# Altium PCB PCB1.PcbDoc
Units mil, origin at the board's own origin, x right, y up, seen from the top; angles counter-clockwise.
Board outline 3323.88 x 3323.88 mil, 2 copper layers (Top Layer, Bottom Layer); 67 components, 46 nets, 217 pads, 822 vias.
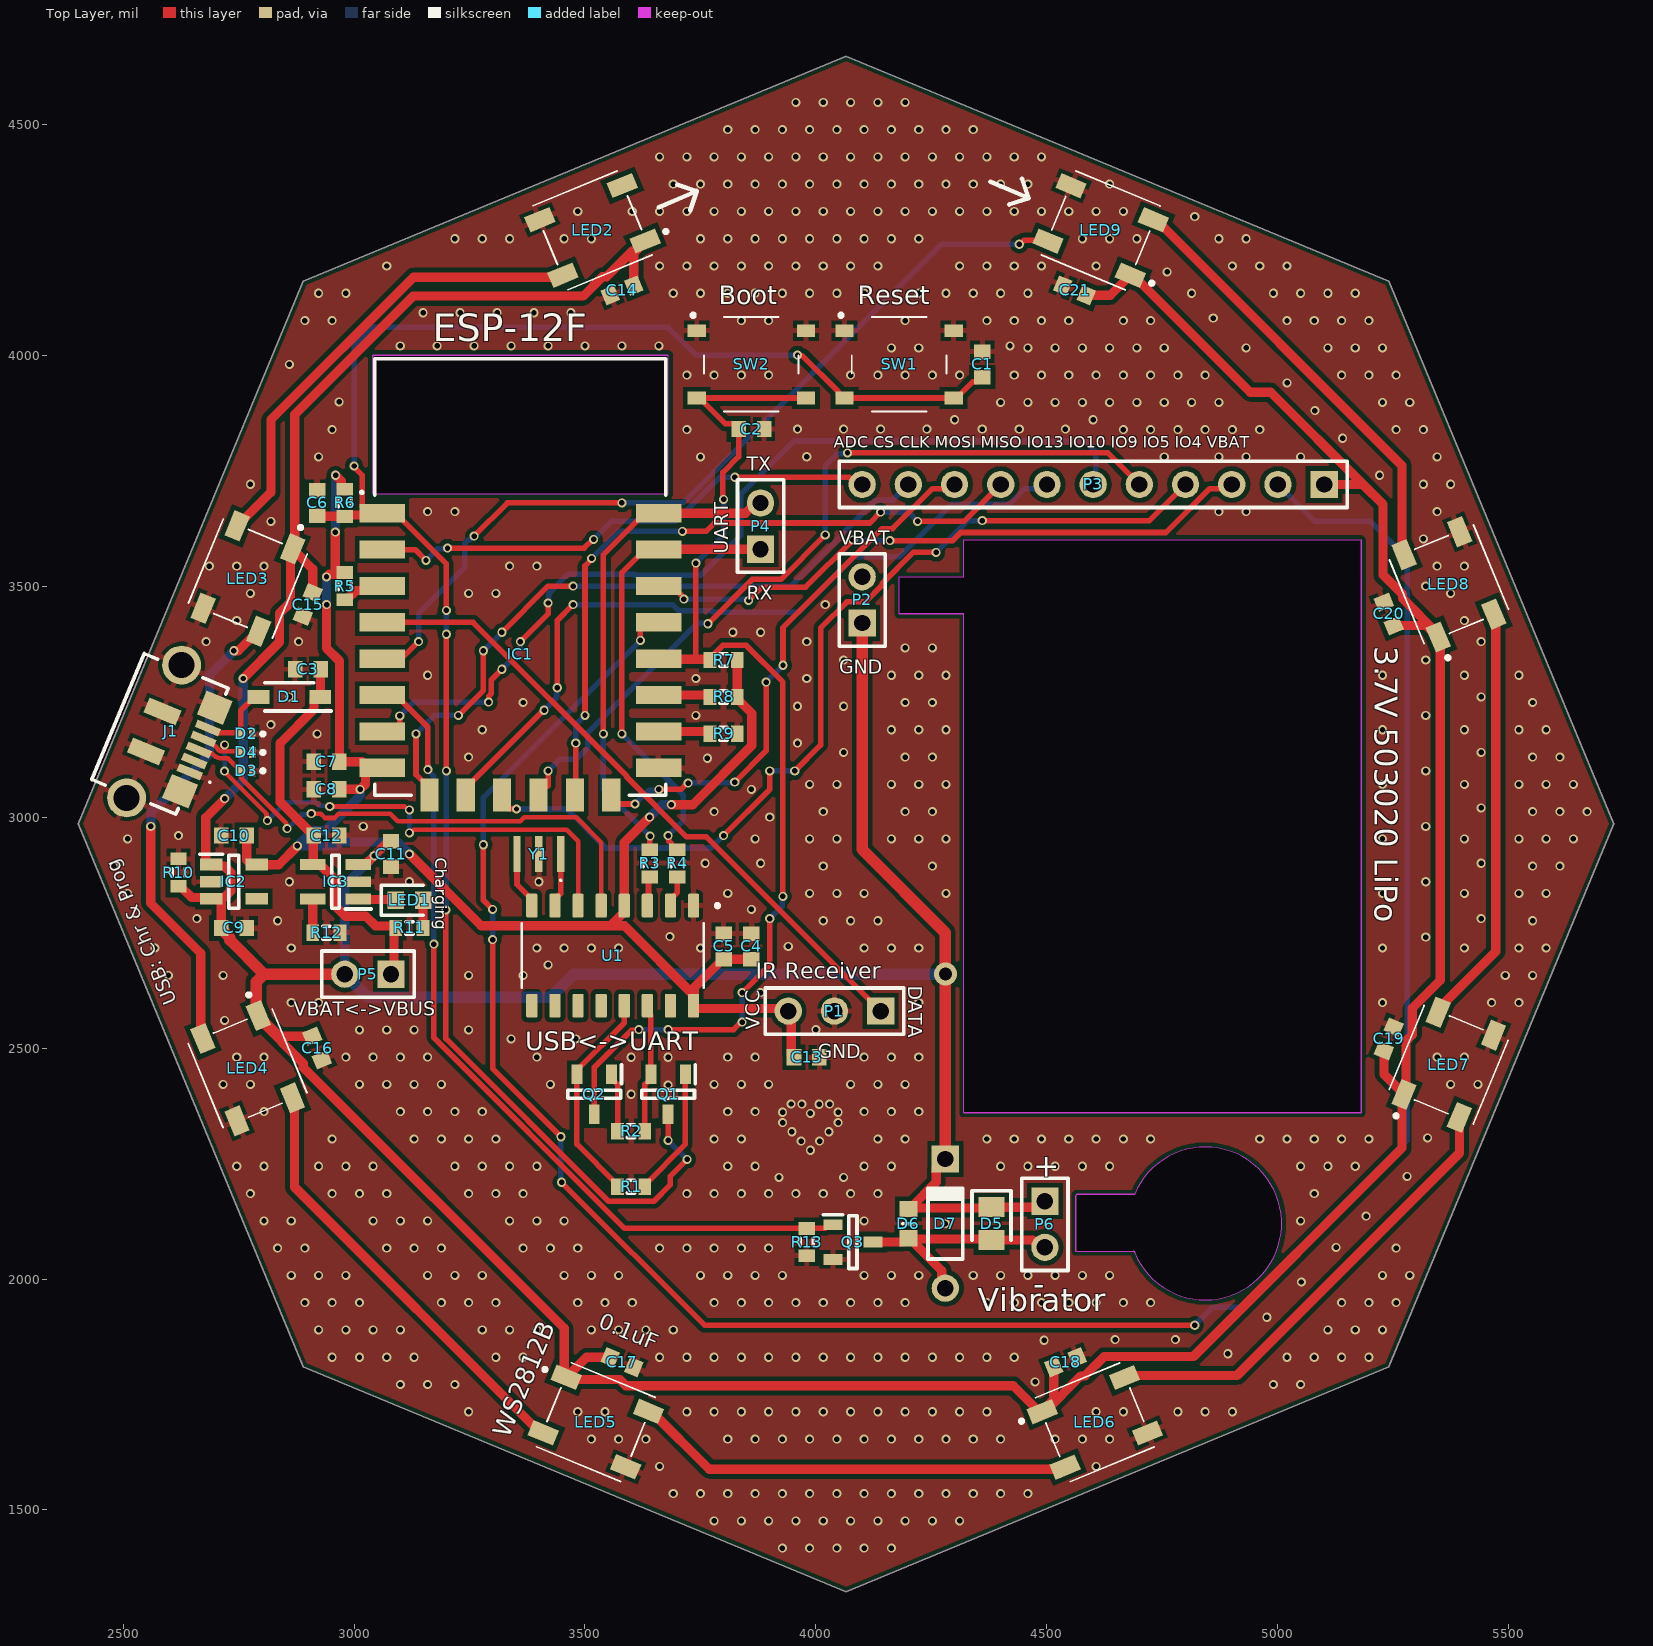
[diagram p0: Top Layer view]
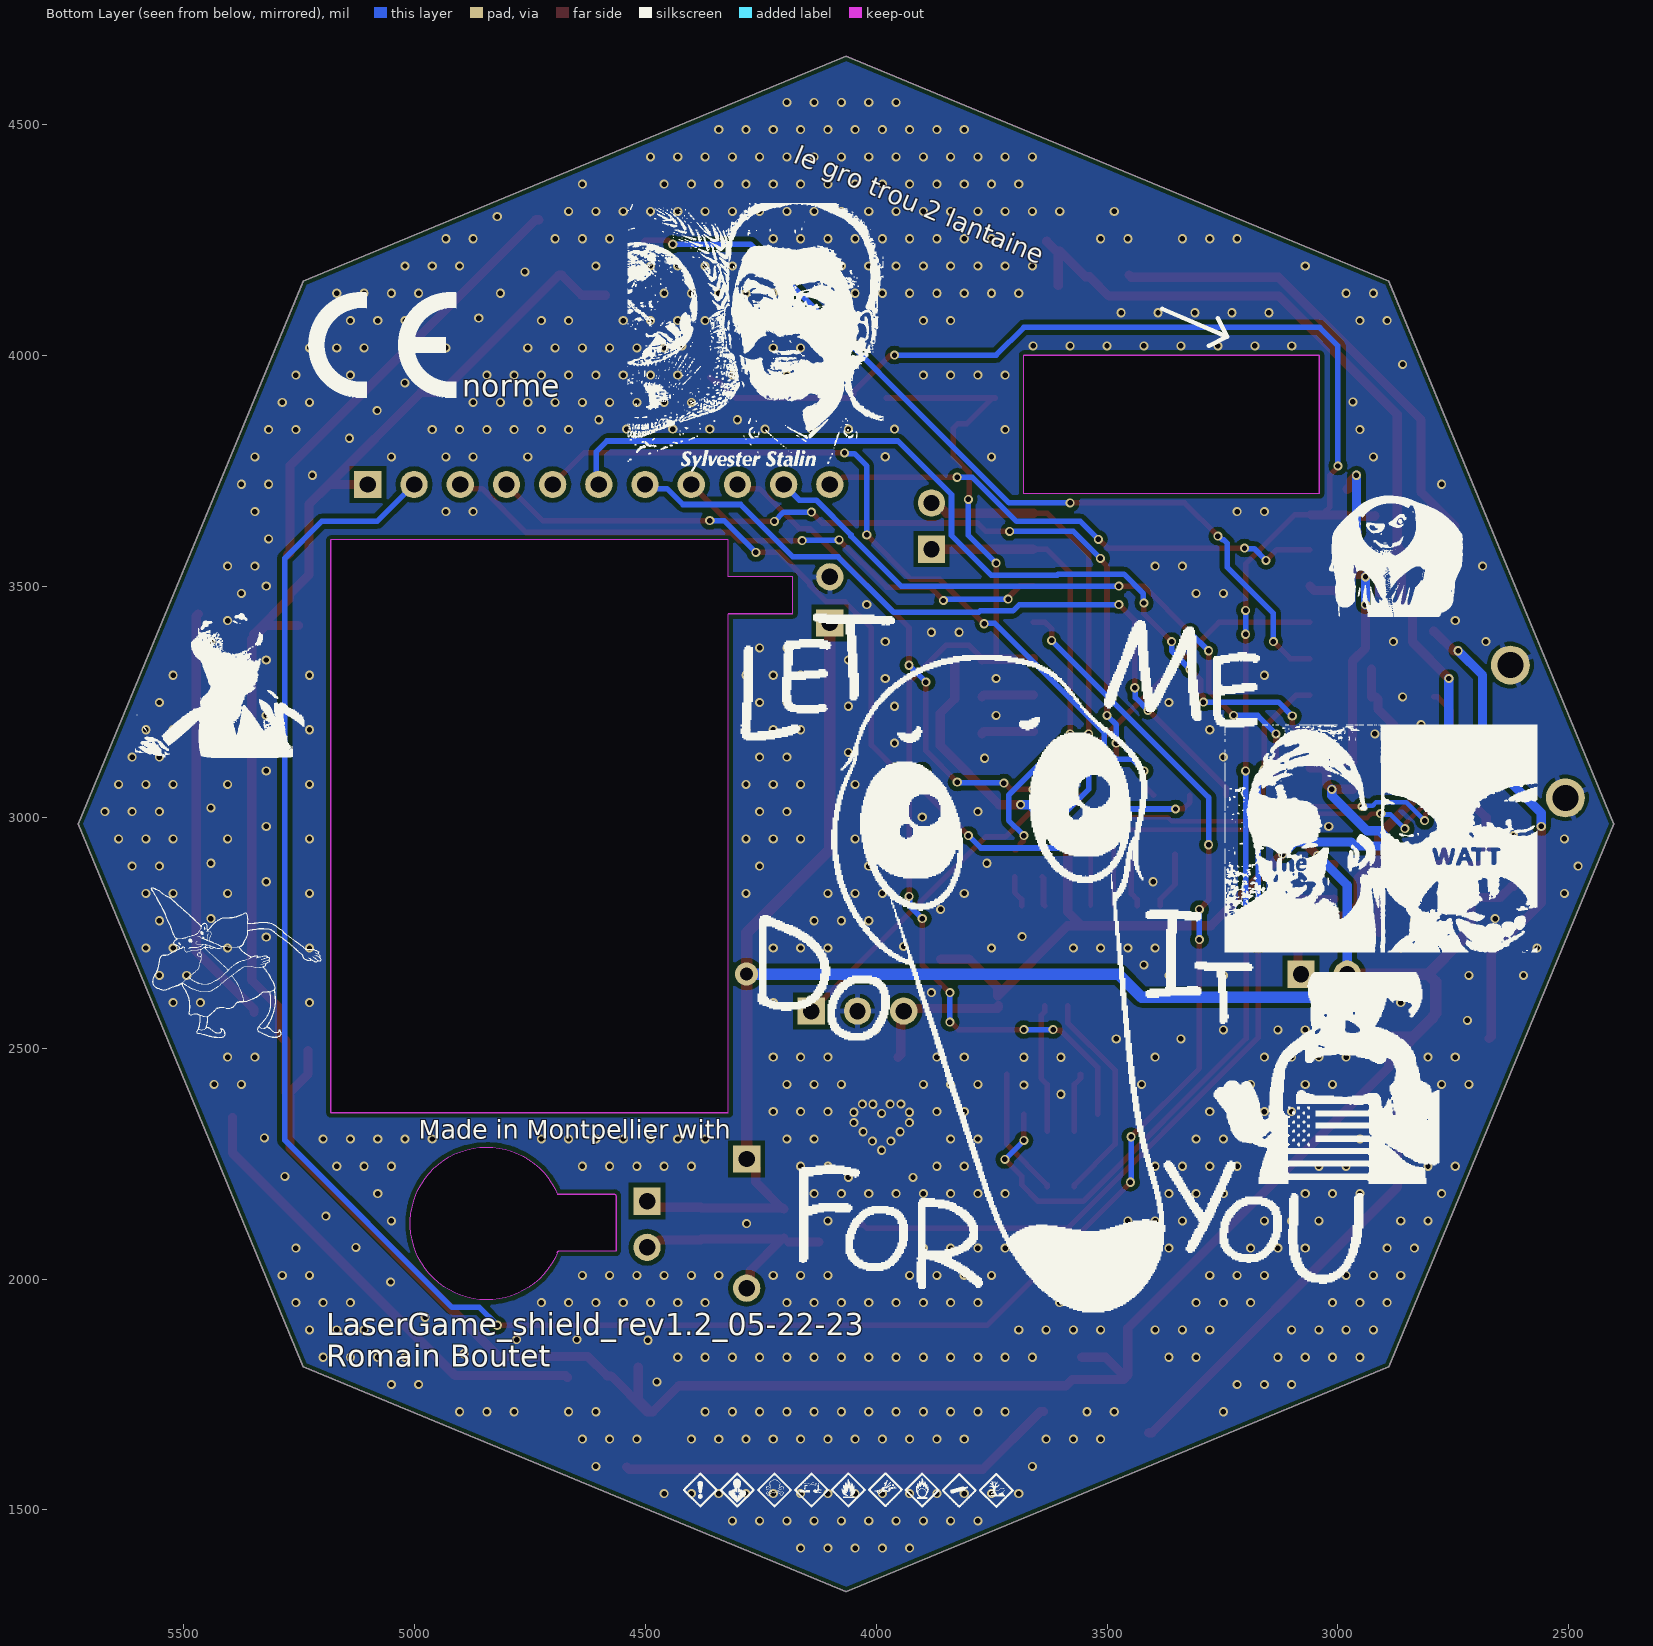
[diagram p1: Bottom Layer view, seen from below]
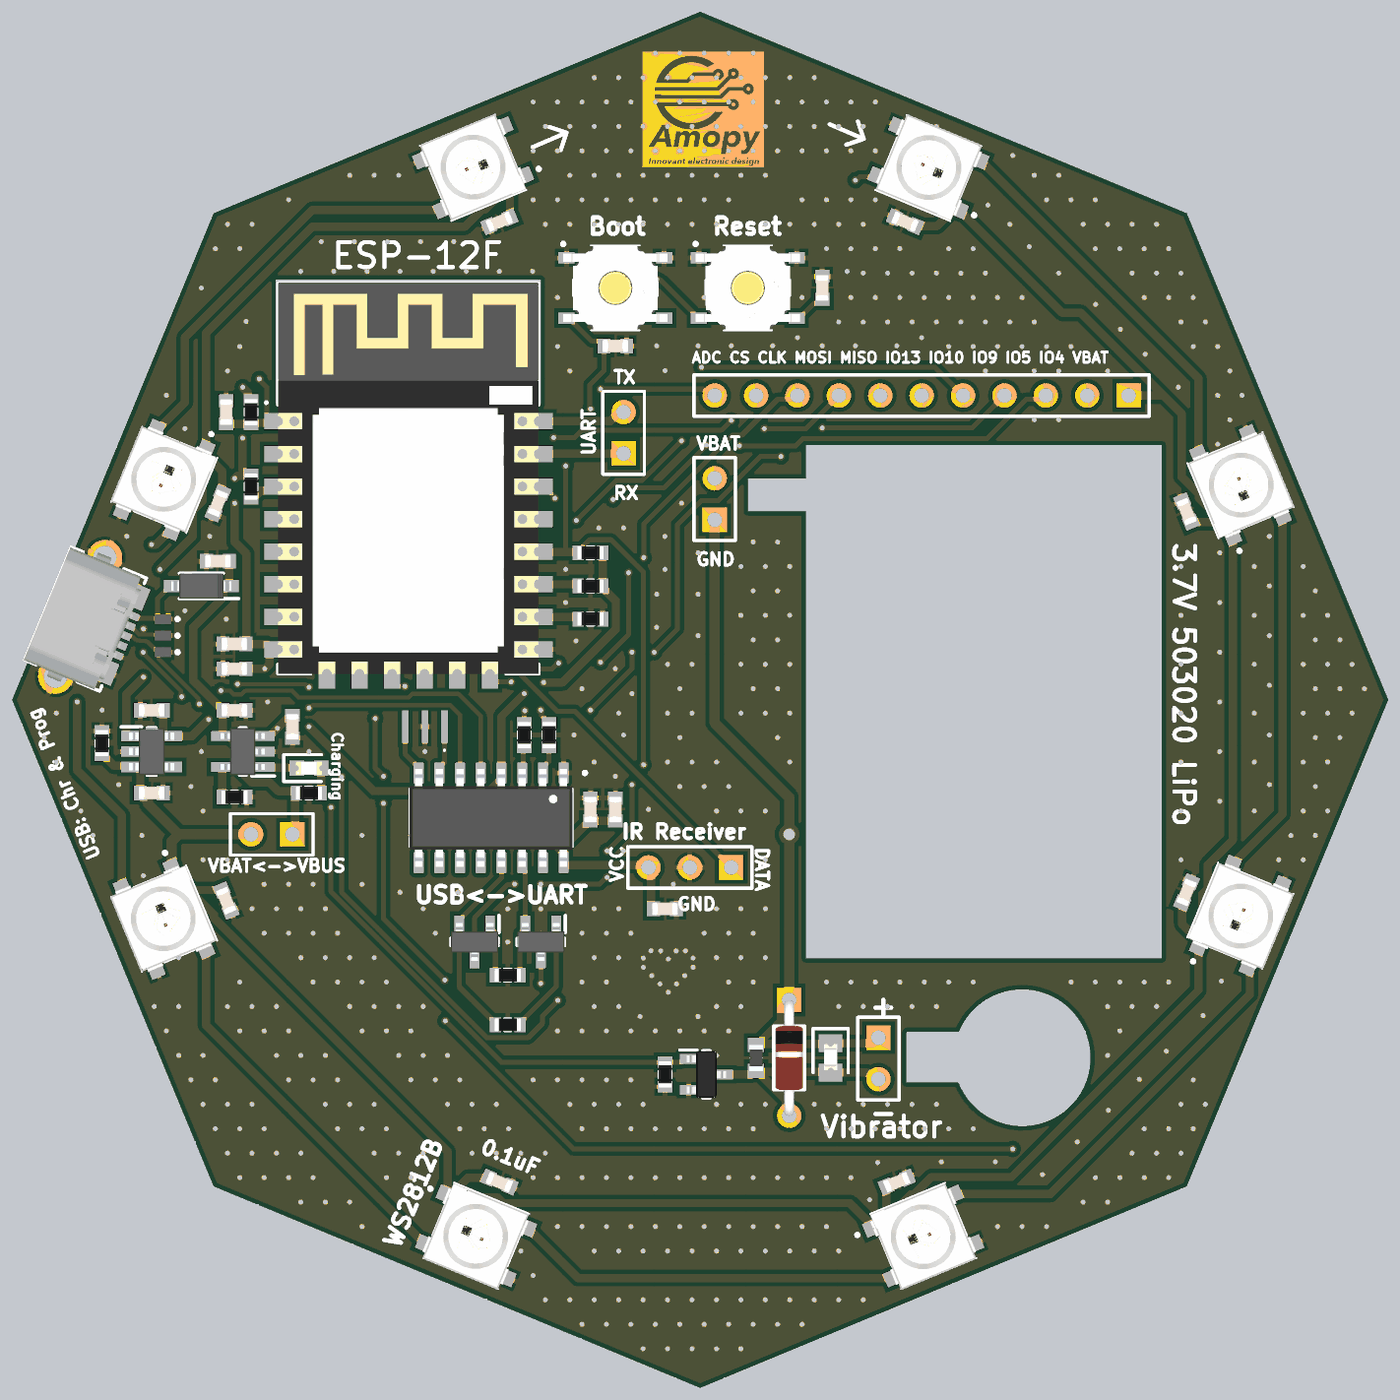
[diagram p2: 3D render of the assembled board from above, using the file's embedded part models]

## Layer stack, top to bottom
Top Solder: solder mask 0.4, Solder Resist, Dk 3.5
Top Layer: signal copper 1.4
Dielectric 1: dielectric 12.6, FR-4, Dk 4.8
Bottom Layer: signal copper 1.4
Bottom Solder: solder mask 0.4, Solder Resist, Dk 3.5

## Board outline
5240.17,1809.83 5726.94,2985 5240.17,4160.17 4065,4646.94 2889.83,4160.17 2403.06,2985 2889.83,1809.83 4065,1323.06
cut-out: 4562.8,2060.28 4686.75,2060.28 cw(c4686.75,2057) 4690.03,2057 ccw(c4842.8,2120.28) 4690.03,2183.56 4566.08,2183.56 ccw(c4566.08,2180.28) 4562.8,2180.28
cut-out: 3040,3700 3680,3700 3680,4000 3040,4000
cut-out: 4180,3440 4180,3520 4320,3520 4320,3600 5180,3600 5180,2360 4320,2360 4320,3440

## Design rules (kind name [scope] priority, off if disabled: settings)
Clearance [All] p1: gap=10 ignorepadtopadclearanceinfootprint=TRUE except(0: Arc-Hole Track-Hole SMDPad-Hole THPad-Hole Via-Hole Fill-Hole Poly-Hole Region-Hole Text-Hole; 5: Arc-Arc Arc-Track Track-Track SMDPad-SMDPad; 5.91: SMDPad-Text THPad-Text; 7.87: Arc-SMDPad Arc-THPad Track-SMDPad Track-THPad; 19.68: THPad-THPad)
ComponentClearance ComponentClearance_1 [InComponent('J1')] p1: gap=0 collisioncheckmode=3 verticalgap=0 showdistances=FALSE
ComponentClearance [All] p2: gap=10 collisioncheckmode=3 verticalgap=10 showdistances=FALSE
DiffPairsRouting [All] p1: maxlimit=8 minlimit=8 mostfreqgap=8 toplayer_minwidth=10.24 toplayer_maxwidth=10.24 toplayer_prefwidth=10.24 bottomlayer_minwidth=10.24 bottomlayer_maxwidth=10.24 bottomlayer_prefwidth=10.24 impedanceprofiledriven=TRUE impedanceprofileid={D35856BD-E289-4E23-B421-B7A420392F33} maxuncoupledlength=500
HoleSize [All] p1: absolutevalues=TRUE maxlimit=248.03 minlimit=11.81 maxpercent=80.000 minpercent=20.000
MinimumAnnularRing [All] p1: minimumring=3
MinimumSolderMaskSliver [All] p1: minsoldermaskwidth=4
PlaneConnect PlaneConnect_direct_via [IsVia] p1: planeconnectstyle=Direct reliefexpansion=20 reliefentries=4 reliefconductorwidth=10 reliefairgap=10
PlaneConnect PlaneConnect_1 [All] p2: planeconnectstyle=Relief reliefexpansion=20 reliefentries=4 reliefconductorwidth=10 reliefairgap=10
PolygonConnect PolygonConnect_direct_via [IsVia] p1: connectstyle=Direct reliefconductorwidth=10 reliefentries=4 polygonreliefangle="90 Angle" airgapwidth=10
PolygonConnect PolygonConnect_1 [All] p2: connectstyle=Relief reliefconductorwidth=11.81 reliefentries=4 polygonreliefangle="90 Angle" airgapwidth=7.87
RoutingVias [All] p1: holewidth=28 width=50 viastyle="Through Hole" minholewidth=11.81 minwidth=19.68 maxholewidth=248.03 maxwidth=50
SilkToSolderMaskClearance [IsPad] p1: minsilkscreentomaskgap=3 clearancetoexposedcopper=TRUE
SolderMaskExpansion SolderMaskExpansion_tented_via [IsVia] p1: expansion=1.5 istentingtop=TRUE
SolderMaskExpansion SolderMaskExpansion_1 [All] p2: expansion=1.5 istentingtop=FALSE
UnRoutedNet [All] p1: checkbadconnections=TRUE
Width [All] p1: maxlimit=39.37 minlimit=5 preferedwidth=10
23 further rules are at their usual default settings.

## Components (designator, comment, footprint, x,y, rotation, side; value= is the part's Value field where it differs from the comment)
C1 "Cap Semi" 1608[0603] 4360,3980 r90 top value=100nF
C2 "Cap Semi" 1608[0603] 3860,3840 r0 top value=100nF
C3 "Cap Semi" 1608[0603] 2900,3320 r0 top value=10uF
C4 "Cap Semi" 1608[0603] 3860,2720 r90 top value=10uF
C5 "Cap Semi" 1608[0603] 3800,2720 r90 top value=100nF
C6 "Cap Semi" 1608[0603] 2920,3680 r90 top value=100nF
C7 "Cap Semi" 1608[0603] 2940,3120 r180 top value=10uF
C8 "Cap Semi" 1608[0603] 2940,3060 r180 top value=100nF
C9 "Cap Semi" 1608[0603] 2740,2760 r0 top value=1uF
C10 "Cap Semi" 1608[0603] 2740,2960 r180 top value=1uF
C11 "Cap Semi" 1608[0603] 3080,2920 r270 top value=1uF
C12 "Cap Semi" 1608[0603] 2940,2960 r0 top value=10uF
C13 "Cap Semi" 1608[0603] 3980,2480 r0 top value=22uF
C14 "Cap Semi" 1608[0603] 3580,4140 r22.5 top value=100nF
C15 "Cap Semi" 1608[0603] 2900,3460 r67.5 top value=100nF
C16 "Cap Semi" 1608[0603] 2920,2500 r112.5 top value=100nF
C17 "Cap Semi" 1608[0603] 3580,1820 r157.5 top value=100nF
C18 "Cap Semi" 1608[0603] 4540,1820 r202.5 top value=100nF
C19 "Cap Semi" 1608[0603] 5240,2520 r247.5 top value=100nF
C20 "Cap Semi" 1608[0603] 5240,3440 r292.5 top value=100nF
C21 "Cap Semi" 1608[0603] 4560,4140 r337.5 top value=100nF
D1 "1N5819HW-7-F" SOD3716X145N 2860,3260 r180 top
D2 "DF2B6M4CT,L3F" DF2B6M4CTL3F 2767.2,3180 r180 top
D3 "DF2B6M4CT,L3F" DF2B6M4CTL3F 2767.2,3100 r180 top
D4 "DF2B6M4CT,L3F" DF2B6M4CTL3F 2767.2,3140 r180 top
D5 "BZY55C30_RBG" DIOC2012X85N 4380,2120 r270 top
D6 "PESD0603-240" DIONC1608X55N 4200,2120 r270 top
D7 "Diode 1N914" DO-35 4280,2120 r90 top
IC1 "esp-12f" ESP12F 3360,3520 r0 top
IC2 "Voltage reg" SOT94P279X130-5N 2740,2860 r0 top
IC3 "Battery charger" SOT95P270X145-5N 2960,2860 r180 top
J1 "Micro-USB" 1051640001 2580,3180 r67.5 top
LED1 "150060GS55040" LEDC1608X50N 3120,2820 r0 top
LED2 "COM-13667" COM13667 3540,4280 r202.5 top
LED3 "COM-13667" COM13667 2780,3540 r247.5 top
LED4 "COM-13667" COM13667 2760,2480 r292.5 top
LED5 "COM-13667" COM13667 3500,1700 r337.5 top
LED6 "COM-13667" COM13667 4580,1680 r22.5 top
LED7 "COM-13667" COM13667 5360,2440 r67.5 top
LED8 "COM-13667" COM13667 5380,3480 r112.5 top
LED9 "COM-13667" COM13667 4640,4260 r157.5 top
P1 "IR Receiver" HDR1X3 4140,2580 r180 top
P2 "Battery" HDR1X2 4100,3420 r90 top
P3 "GPIOs" HDR1X11 5100,3720 r180 top
P4 "UART0" HDR1X2 3880,3580 r90 top
P5 "Alim header" HDR1X2 3080,2660 r180 top
P6 "Motor" HDR1X2 4495.61,2168.5 r270 top
Q1 "NPN" SOT95P230X110-3N 3680,2400 r270 top
Q2 "NPN" SOT95P230X110-3N 3520,2400 r270 top
Q3 "BSH111" SOT95P230X100-3N 4080,2080 r0 top
R1 "Res3" J1-0603 3600,2200 r0 top value=10K
R2 "Res3" J1-0603 3600,2320 r180 top value=10K
R3 "Res3" J1-0603 3640,2900 r90 top value=470R
R4 "Res3" J1-0603 3700,2900 r90 top value=470R
R5 "Res3" J1-0603 2980,3500 r270 top value=10K
R6 "Res3" J1-0603 2980,3680 r270 top value=10K
R7 "Res3" J1-0603 3800,3340 r180 top value=10K
R8 "Res3" J1-0603 3800,3260 r180 top value=10K
R9 "Res3" J1-0603 3800,3180 r0 top value=10K
R10 "Res3" J1-0603 2620,2880 r270 top value=100K
R11 "Res3" J1-0603 3120,2760 r0 top value=1K
R12 "Res3" J1-0603 2940,2749.96 r180 top value=47K5
R13 "Res3" J1-0603 3980,2080 r90 top value=10K
SW1 "PTS526_SM15_SMTR2_LFS" PTS526SM15SMTR2LFS 4180,3980 r0 top
SW2 "PTS526_SM15_SMTR2_LFS" PTS526SM15SMTR2LFS 3860,3980 r0 top
U1 "CH340G" SOIC127P600X180-16N 3560,2700 r270 top
Y1 "Crystal" CSTCE12M0G55R0 3400,2920 r180 top

## Footprints (in the part's own frame and the unit in brackets; to place one, negate y for a bottom-side part, rotate by r counter-clockwise, add the part's x,y. Pads: shape width x height; smd on the part's side, far side on the other; paste and mask are expansions set on the pad)
1608[0603] [mm] "Chip Capacitor, Body 1.6x0.8mm, IPC High Density"
  rect 0.8x0.9 smd: 1(-0.7,0) 2(0.7,0)
  body extent -0.8,-0.4 0.8,0.4, height 0.81
1051640001 [mm]
  rect 0.45x1.38 smd: 1(-1.3,-2.31) 2(-0.65,-2.31) 3(0,-2.31) 4(0.65,-2.31) 5(1.3,-2.31)
  round 2.145 hole 1.43: MH1(-3.95,0.35) MH2(3.95,0.35)
  rect 1.425x1.55 smd: MP1(-2.487,-2.225) MP2(2.487,-2.225)
  rect 0.875x1.9 smd: MP3(-1.188,0.35) MP4(1.188,0.35)
  silkscreen extent -3.75,-3.6 3.75,2.5, body extent -4.14,-2.61 4.06,2.54, height 2.45
COM13667 [mm]
  rect 1.5x0.9 smd: 1(-1.8,1.65) 2(-1.8,-1.65) 3(3.1,-1.65) 4(3.1,1.65)
  silkscreen extent -3.15,-2.5 3.15,2.5, body extent -2.04,-2.54 3.31,2.46, height 1.6
CSTCE12M0G55R0 [mm]
  rect 0.4x2 smd: 1(-1.2,0) 2(0,0) 3(1.2,0)
  silkscreen extent -1.25,1.4 -1.15,1.5
DF2B6M4CTL3F [mm]
  rect 0.35x0.6 smd: 1(-0.325,0) 2(0.325,0)
  silkscreen extent -1,-0.1 -0.8,0.1, body extent -0.5,-0.3 0.5,0.3, height 0.5
DIOC2012X85N [mm]
  rect 1.1x1.45 smd: 1(-0.9,0) 2(0.9,0)
  silkscreen extent -1.8,-1.07 0.9,1.07, body extent -0.86,-0.4 0.76,0.4, height 0.58
DIONC1608X55N [mm]
  rect 0.9x1 smd: 1(-0.8,0) 2(0.8,0)
  silkscreen extent 0,-0.31 0,0.31, body extent -0.8,-0.41 0.8,0.41, height 0.55
DO-35 [mm] "Diode, Axial; Body 3.8 x 1.9 mm (LxDia. max), Lead Dia. 0.53 mm (max)"
  round 1.5 hole 0.9: 1(-3.55,0)
  rect 1.5x1.5 hole 0.9: 2(3.55,0)
  silkscreen extent -1.95,-0.95 2.05,0.95, body extent -3.55,-0.85 3.55,0.85, height 1.85
ESP12F [mm]
  rect 2.5x1 smd: 1(-7.6,3.5) 2(-7.6,1.5) 3(-7.6,-0.5) 4(-7.6,-2.5) 5(-7.6,-4.5) 6(-7.6,-6.5) 7(-7.6,-8.5) 8(-7.6,-10.5) 15(7.6,-10.5) 16(7.6,-8.5) 17(7.6,-6.5) 18(7.6,-4.5) 19(7.6,-2.5) 20(7.6,-0.5) 21(7.6,1.5) 22(7.6,3.5)
  rect 1x1.8 smd: 9(-5,-12) 10(-3,-12) 11(-1,-12) 12(1,-12) 13(3,-12) 14(5,-12)
  silkscreen extent -8.76,-12 8,12, body extent -8,-12 8,12, height 3.1
HDR1X2 [mm] "Connector; Header; 2 Position"
  rect 1.5x1.5 hole 0.9: 1(0,0)
  round 1.5 hole 0.9: 2(2.54,0)
  silkscreen extent -1.27,-1.27 3.81,1.27
HDR1X3 [mm] "Connector; Header; 3 Position"
  rect 1.5x1.5 hole 0.9: 1(0,0)
  round 1.5 hole 0.9: 2(2.54,0) 3(5.08,0)
  silkscreen extent -1.27,-1.27 6.35,1.27
HDR1X11 [mm] "Connector; Header; 11 Position"
  rect 1.5x1.5 hole 0.9: 1(0,0)
  round 1.5 hole 0.9: 2(2.54,0) 3(5.08,0) 4(7.62,0) 5(10.16,0) 6(12.7,0) 7(15.24,0) 8(17.78,0) 9(20.32,0) 10(22.86,0) 11(25.4,0)
  silkscreen extent -1.27,-1.27 26.67,1.27
J1-0603 [mm] "Chip Resistor, Body 1.6x0.8mm, IPC High Density"
  rect 0.7x0.9 smd: 1(-0.75,0) 2(0.75,0)
  silkscreen extent -0.2,-0.35 0.2,0.35, body extent -0.8,-0.4 0.8,0.4, height 0.45
LEDC1608X50N [mm]
  rect 0.9x0.95 smd: 1(-0.75,0) 2(0.75,0)
  silkscreen extent -1.55,-0.82 0.75,0.82, body extent -0.8,-0.4 0.8,0.4, height 0.4
PTS526SM15SMTR2LFS [mm]
  rect 1x0.7 smd: 1(-3,1.85) 2(3,1.85) 3(-3,-1.85) 4(3,-1.85)
  silkscreen extent -3.3,-2.6 2.6,2.8, body extent -3.2,-2.6 3.2,2.6, height 1.55
SOD3716X145N [mm]
  rect 1.2x0.75 smd: 1(-1.7,0) 2(1.7,0)
  silkscreen extent -2.3,-0.77 1.35,0.77, body extent -1.85,-0.77 1.85,0.77, height 1.45
SOIC127P600X180-16N [mm]
  rrect25% 1.31x0.62 smd: 1(-2.75,4.445) 2(-2.75,3.175) 3(-2.75,1.905) 4(-2.75,0.635) 5(-2.75,-0.635) 6(-2.75,-1.905) 7(-2.75,-3.175) 8(-2.75,-4.445) 9(2.75,-4.445) 10(2.75,-3.175) 11(2.75,-1.905) 12(2.75,-0.635) 13(2.75,0.635) 14(2.75,1.905) 15(2.75,3.175) 16(2.75,4.445)
  silkscreen extent -2.85,-5 1.78,5.85, body extent -3,-5 3,5, height 1.8
SOT94P279X130-5N [mm]
  rect 1.25x0.65 smd: 1(-1.25,0.94) 2(-1.25,0) 3(-1.25,-0.94) 4(1.25,-0.94) 5(1.25,0.94)
  silkscreen extent -1.88,-1.45 0.28,1.51, body extent -1.4,-1.45 1.4,1.45, height 1.3
SOT95P230X100-3N [mm]
  rect 1.05x0.6 smd: 1(-1.1,0.95) 2(-1.1,-0.95) 3(1.1,0)
  silkscreen extent -1.63,-1.45 0.23,1.5, body extent -1.2,-1.45 1.2,1.45, height 0.95
SOT95P230X110-3N [mm]
  rect 1.05x0.6 smd: 1(-1.1,0.95) 2(-1.1,-0.95) 3(1.1,0)
  silkscreen extent -1.63,-1.45 0.23,1.5, body extent -1.15,-1.45 1.15,1.45, height 1.1
SOT95P270X145-5N [mm]
  rect 1.4x0.6 smd: 1(-1.25,0.95) 2(-1.25,0) 3(-1.25,-0.95) 4(1.25,-0.95) 5(1.25,0.95)
  silkscreen extent -1.95,-1.45 0.2,1.5, body extent -1.35,-1.45 1.35,1.45, height 1.45

## Part data
C1 C2 C3 C4 C5 C6 C7 C8 C9 C10 C11 C12 C13 C14 C15 C16 C17 C18 C19 C20 C21: "Capacitor (Semiconductor SIM Model)", LatestRevisionDate=29-May-2009, LatestRevisionNote="IPC-7351 Footprint Added.", PackageDescription="Chip Capacitor", PackageReference=C1206, Published=8-Jun-2000, Publisher="Altium Limited"
D1: "Diode", Manufacturer_Name="Diodes Inc.", Mouser Part Number=621-1N5819HW-F, Arrow Part Number=1N5819HW-7-F, Arrow Price/Stock=https://www.arrow.com/en/products/1n5819hw-7-f/diodes-incorporated?region=europe, Datasheet Link=https://datasheet.datasheetarchive.com/originals/distributors/Datasheets-DGA23/1390892.pdf, Height=1.45mm, Manufacturer_Part_Number=1N5819HW-7-F, Mouser Price/Stock=https://www.mouser.co.uk/ProductDetail/Diodes-Incorporated/1N5819HW-7-F?qs=NQ47qNm99eDyWTEd07miYA%3D%3D
D2 D3 D4: "TVS Diode (Bi-directional)", Manufacturer_Name=Toshiba, Mouser Part Number=757-DF2B6M4CTL3F, Arrow Part Number=DF2B6M4CT,L3F, Arrow Price/Stock=https://www.arrow.com/en/products/df2b6m4ctl3f/toshiba, Datasheet Link=https://static6.arrow.com/aropdfconversion/35aad045143cfbe56d4c3115b403a38cdd93b55b/3docget.jspdid55771prodnamedf2b6m4ct.jspdid55771prodnamedf2b6m4ct..pdf, Height=0.4mm, Manufacturer_Part_Number=DF2B6M4CT,L3F, Mouser Price/Stock=https://www.mouser.co.uk/ProductDetail/Toshiba/DF2B6M4CTL3F/?qs=HXFqYaX1Q2xAOjv9GW6UtQ%3D%3D
D5: "Zener Diode", Manufacturer_Name="Taiwan Semiconductor", Manufacturer_Part_Number="BZY55C30 RBG", Mouser Part Number=821-BZY55C30RBG, Datasheet Link=https://www.mouser.com/datasheet/2/395/BZY55C2V4_SERIES_D1612-1918069.pdf, Height=0.85mm, Mouser Price/Stock=https://www.mouser.co.uk/ProductDetail/Taiwan-Semiconductor/BZY55C30-RBG?qs=mAH9sUMRCtsR47hR59kl1g%3D%3D
D6: "Diode", Manufacturer_Name=LITTELFUSE, Mouser Part Number=650-PESD0603-240, Arrow Part Number=PESD0603-240, Arrow Price/Stock=https://www.arrow.com/en/products/pesd0603-240/littelfuse?region=nac, Datasheet Link=http://www.littelfuse.com/~/media/electronics/datasheets/polymer_esd_suppressors/littelfuse_polymer_esd_suppressor_pesd_catalog_datasheet.pdf.pdf, Height=0.55mm, Manufacturer_Part_Number=PESD0603-240, Mouser Price/Stock=https://www.mouser.co.uk/ProductDetail/Littelfuse/PESD0603-240?qs=NK6InXoXhq6AnVVWZjdyfg%3D%3D
D7: "High Conductance Fast Diode", Code_JEDEC=DO-204-AH, ComponentLink1Description="Manufacturer Link", ComponentLink1URL=http://www.fairchildsemi.com/, ComponentLink2Description=Datasheet, ComponentLink2URL=http://www.fairchildsemi.com/ds/1N%2F1N4448.pdf, DatasheetVersion=1997, LatestRevisionDate=17-Jul-2002, LatestRevisionNote="Re-released for DXP Platform.", PackageDescription="Diode, Axial; Body 3.8 x 1.9 mm (LxDia. max), Lead Dia. 0.53 mm (max)", PackageReference=DO-35, Published=8-Jun-2000, Publisher="Altium Limited"
IC1: "Integrated Circuit", Manufacturer_Name=Ai-Thinker, Datasheet Link=https://docs.ai-thinker.com/_media/esp8266/docs/esp-12f_product_specification_en.pdf, Height=3.1mm, Manufacturer_Part_Number=esp-12f
IC2: library part RT9013-12PB, "Integrated Circuit", Manufacturer_Name=RICHTEK, Datasheet Link=https://www.digchip.com/datasheets/parts/datasheet/403/RT9013-12PB-pdf.php, Height=1.295mm, Manufacturer_Part_Number=RT9013-12PB
IC3: library part MCP73831T-2ACI_OT, "Integrated Circuit", Arrow Part Number=MCP73831T-2ACI/OT, Manufacturer_Name=Microchip, Mouser Part Number=579-MCP73831T-2ACIOT, Arrow Price/Stock=https://www.arrow.com/en/products/mcp73831t-2aciot/microchip-technology?region=nac, Datasheet Link=http://ww1.microchip.com/downloads/en/DeviceDoc/20001984g.pdf, Height=1.45mm, Manufacturer_Part_Number=MCP73831T-2ACI/OT, Mouser Price/Stock=https://www.mouser.co.uk/ProductDetail/Microchip-Technology/MCP73831T-2ACI-OT?qs=yUQqVecv4qvbBQBGbHx0Mw%3D%3D
J1: library part 105164-0001, "Connector", Manufacturer_Name=Molex, Mouser Part Number=538-105164-0001, Datasheet Link=https://www.molex.com/pdm_docs/sd/1051640001_sd.pdf, Height=2.7mm, Manufacturer_Part_Number=105164-0001, Mouser Price/Stock=https://www.mouser.co.uk/ProductDetail/Molex/105164-0001?qs=JAwGc6FMfvtRY4SkW%2FoGcQ%3D%3D
LED1: "LED", Manufacturer_Name="Wurth Elektronik", Mouser Part Number=710-150060GS55040, Datasheet Link=https://katalog.we-online.de/led/datasheet/150060GS55040.pdf, Height=0.5mm, Manufacturer_Part_Number=150060GS55040, Mouser Price/Stock=https://www.mouser.co.uk/ProductDetail/Wurth-Elektronik/150060GS55040?qs=fAHHVMwC%252Bbhr5Aln2oA6Nw%3D%3D
LED2 LED3 LED4 LED5 LED6 LED7 LED8 LED9: "LED", Manufacturer_Name=SparkFun, Mouser Part Number=474-COM-13667, Arrow Part Number=COM-13667, Arrow Price/Stock=https://www.arrow.com/en/products/com-13667/sparkfun-electronics?region=nac, Datasheet Link=https://cdn.sparkfun.com/datasheets/BreakoutBoards/WS2812B.pdf, Height=2mm, Manufacturer_Part_Number=COM-13667, Mouser Price/Stock=https://www.mouser.co.uk/ProductDetail/SparkFun/COM-13667?qs=WyAARYrbSnYuV74MbwnFXg%3D%3D
P1: library part "Header 3", "Header, 3-Pin", LatestRevisionDate=17-Jul-2002, LatestRevisionNote="Re-released for DXP Platform.", Publisher="Altium Limited"
P2 P5 P6: library part "Header 2", "Header, 2-Pin", LatestRevisionDate=17-Jul-2002, LatestRevisionNote="Re-released for DXP Platform.", Publisher="Altium Limited"
P3: library part "Header 11", "Header, 11-Pin", LatestRevisionDate=17-Jul-2002, LatestRevisionNote="Re-released for DXP Platform.", Publisher="Altium Limited"
P4: library part "Header 2", LatestRevisionDate=17-Jul-2002, LatestRevisionNote="Re-released for DXP Platform.", Publisher="Altium Limited"
Q1 Q2: library part BCW66FR, "Transistor BJT NPN", Manufacturer_Name=Nexperia, Mouser Part Number=771-BCW66FR, Arrow Part Number=BCW66FR, Arrow Price/Stock=https://www.arrow.com/en/products/bcw66fr/nexperia?region=europe, Datasheet Link=https://www.mouser.in/datasheet/2/916/BCW66X_SER-1319560.pdf, Height=1.1mm, Manufacturer_Part_Number=BCW66FR, Mouser Price/Stock=https://www.mouser.co.uk/ProductDetail/Nexperia/BCW66FR?qs=vLWxofP3U2xgYVmJT%2Fr4qw%3D%3D
Q3: library part PMV15ENER, "MOSFET (N-Channel)", Manufacturer_Name=Nexperia, Mouser Part Number=771-PMV15ENER, Datasheet Link=https://assets.nexperia.com/documents/data-sheet/PMV15ENE.pdf, Height=1mm, Manufacturer_Part_Number=PMV15ENER, Mouser Price/Stock=https://www.mouser.co.uk/ProductDetail/Nexperia/PMV15ENER?qs=Li%252BoUPsLEntpTHKsialBmQ%3D%3D
R1 R2 R3 R4 R5 R6 R7 R8 R9 R10 R11 R12 R13: "Resistor", LatestRevisionDate=29-May-2009, LatestRevisionNote="IPC-7351 Footprint Added.", PackageDescription="Chip Resistor", PackageReference=J1-0603, Published=8-Jun-2000, Publisher="Altium Limited"
SW1 SW2: "Switch", Arrow Part Number="PTS526 SM15 SMTR2 LFS", Manufacturer_Name="C & K COMPONENTS", Mouser Part Number=611-PTS526SM15SMTR2L, Arrow Price/Stock=https://www.arrow.com/en/products/pts526-sm15-smtr2-lfs/ck?region=nac, Datasheet Link=https://www.mouser.com/datasheet/2/60/pts526-1651200.pdf, Height=1.5mm, Manufacturer_Part_Number="PTS526 SM15 SMTR2 LFS", Mouser Price/Stock=https://www.mouser.co.uk/ProductDetail/CK/PTS526-SM15-SMTR2-LFS?qs=UXgszm6BlbENivbslIA%252B5g%3D%3D
U1: "USB Interface Integrated Circuit", Package=None, Availability="Not in stock", Check_prices=https://www.snapeda.com/parts/Ch340G/WCH/view-part/?ref=eda, MF=WCH, MP=Ch340G, Price=None, SnapEDA_Link=https://www.snapeda.com/parts/Ch340G/WCH/view-part/?ref=snap
Y1: library part CSTCE12M0G55-R0, "Crystal or Oscillator", Manufacturer_Name="Murata Electronics", Mouser Part Number=81-CSTCE12M0G55-R0, Datasheet Link=http://uk.rs-online.com/web/p/products/7214809, Height=0.8mm, Manufacturer_Part_Number=CSTCE12M0G55-R0, Mouser Price/Stock=https://www.mouser.co.uk/ProductDetail/Murata-Electronics/CSTCE12M0G55-R0?qs=X%252BGJbDQiXeURAOWF7GvM7A%3D%3D

## Via types
v1: diameter 19.68, hole 11.81, Top Layer to Bottom Layer, tented both sides, 821 vias
v2: diameter 50, hole 28, Top Layer to Bottom Layer, tented both sides, 1 vias
